# Allegro board BRD_05101_01_rev_b01_aa.brd
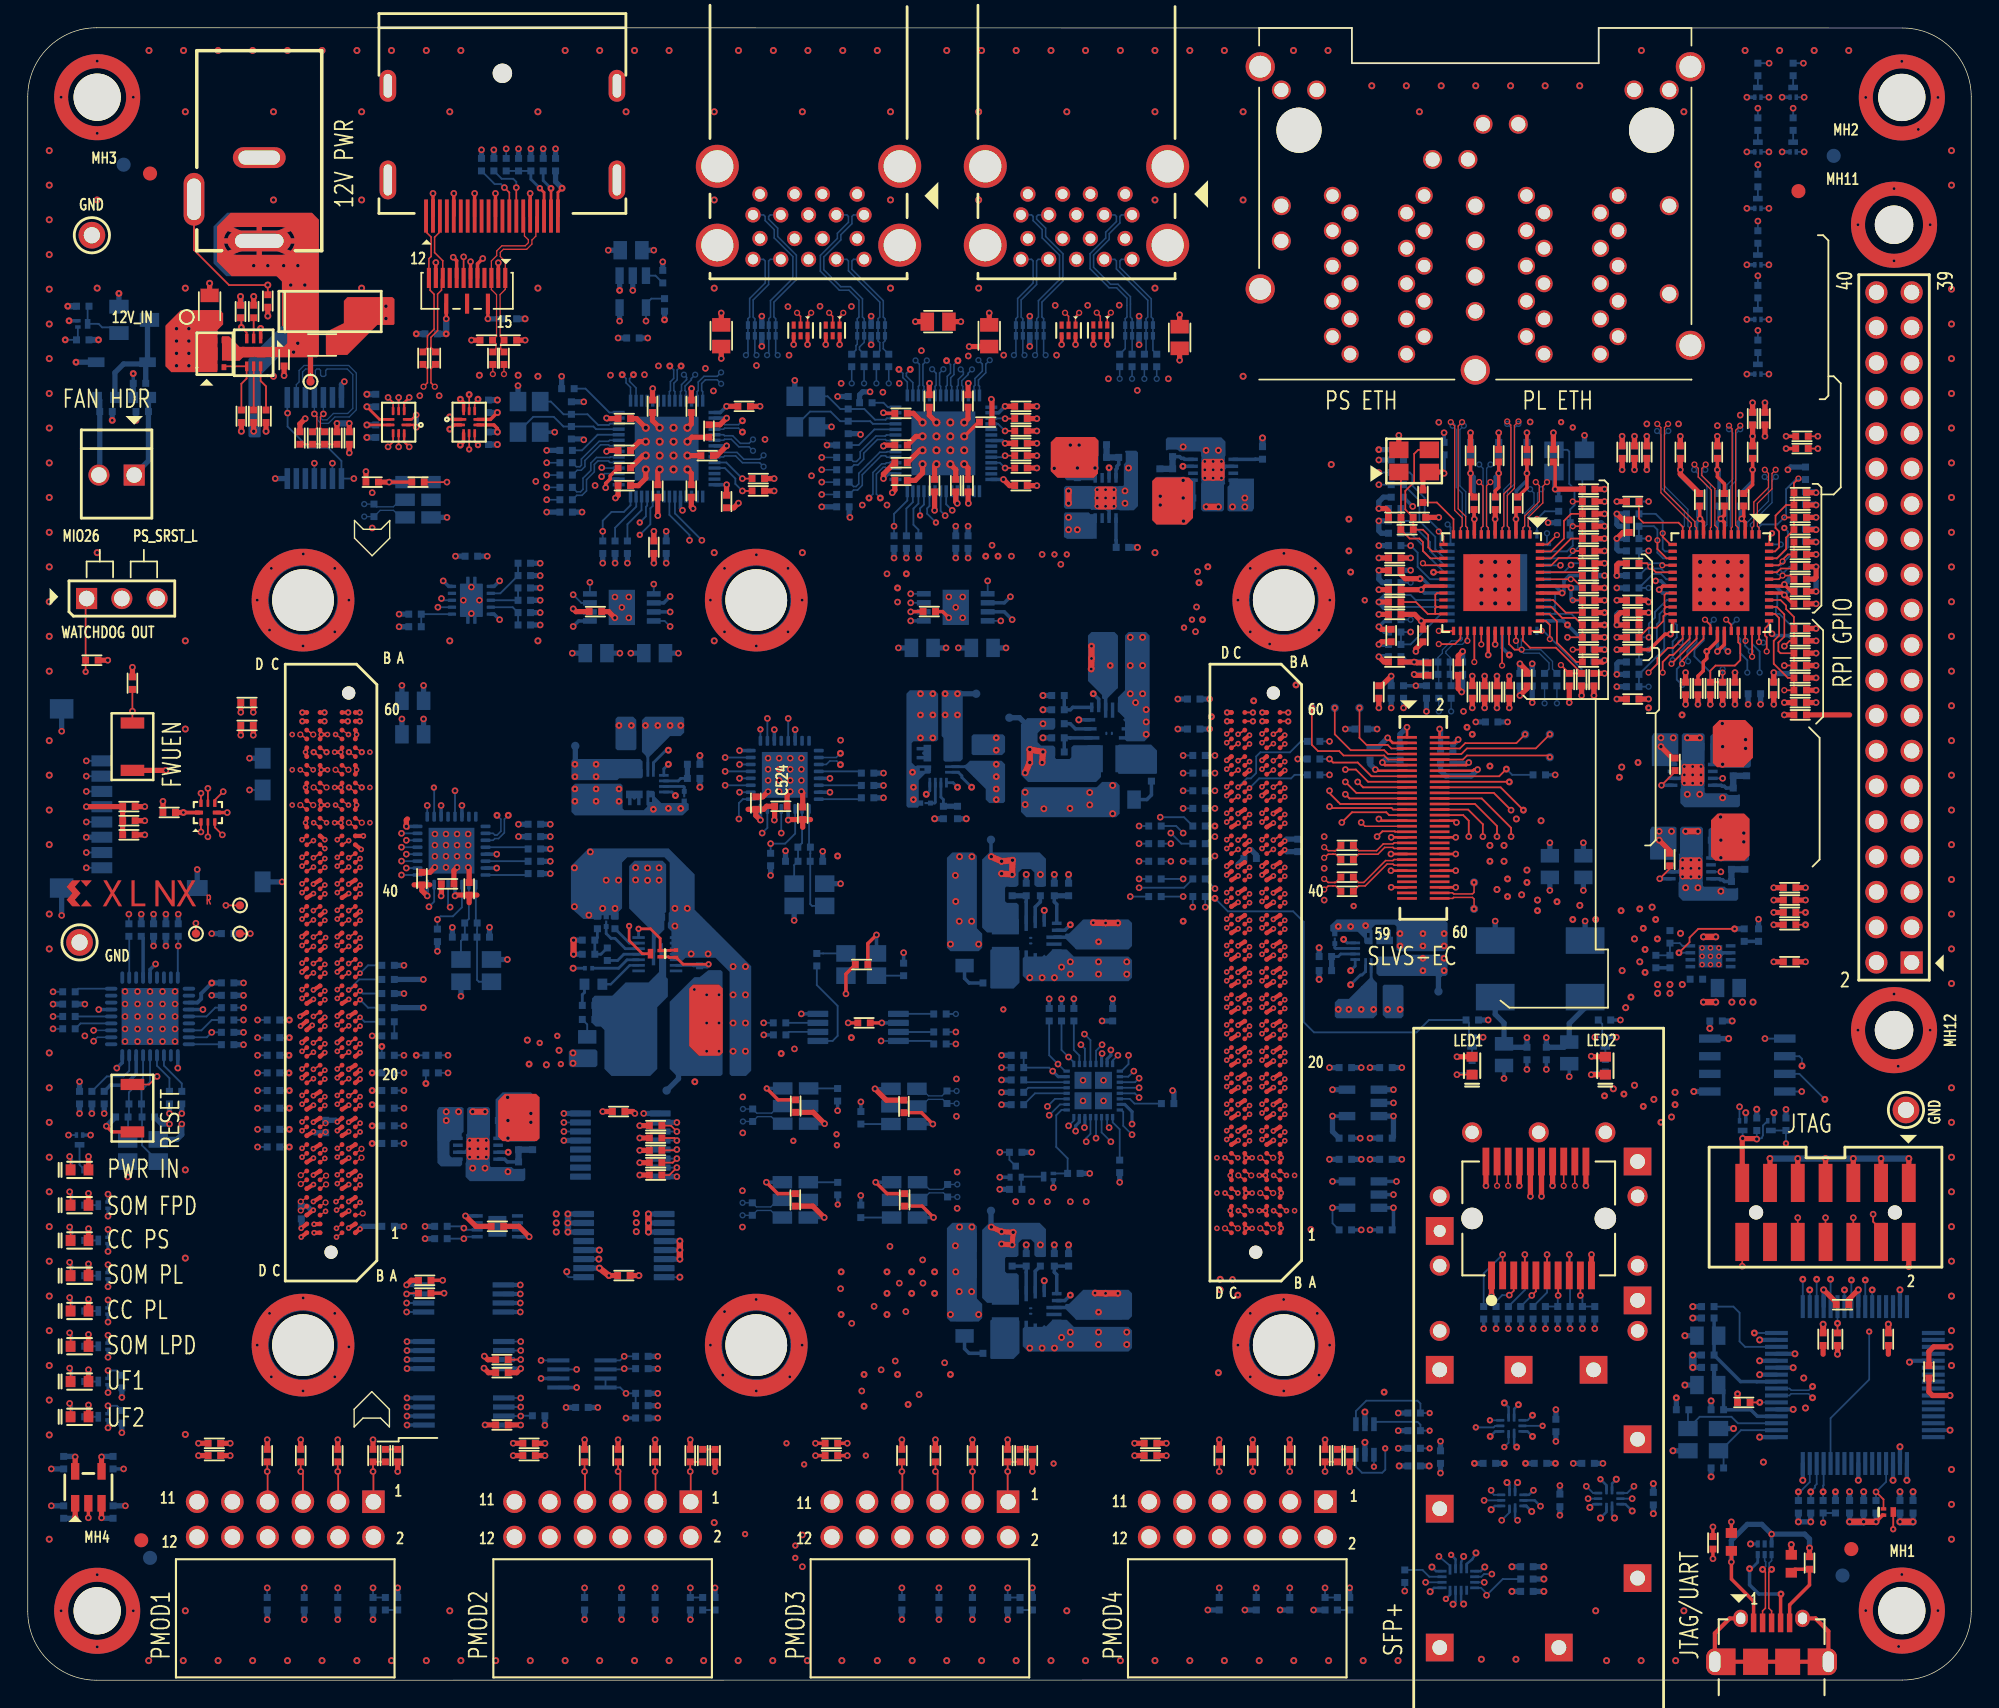
[diagram p0: board, top side]
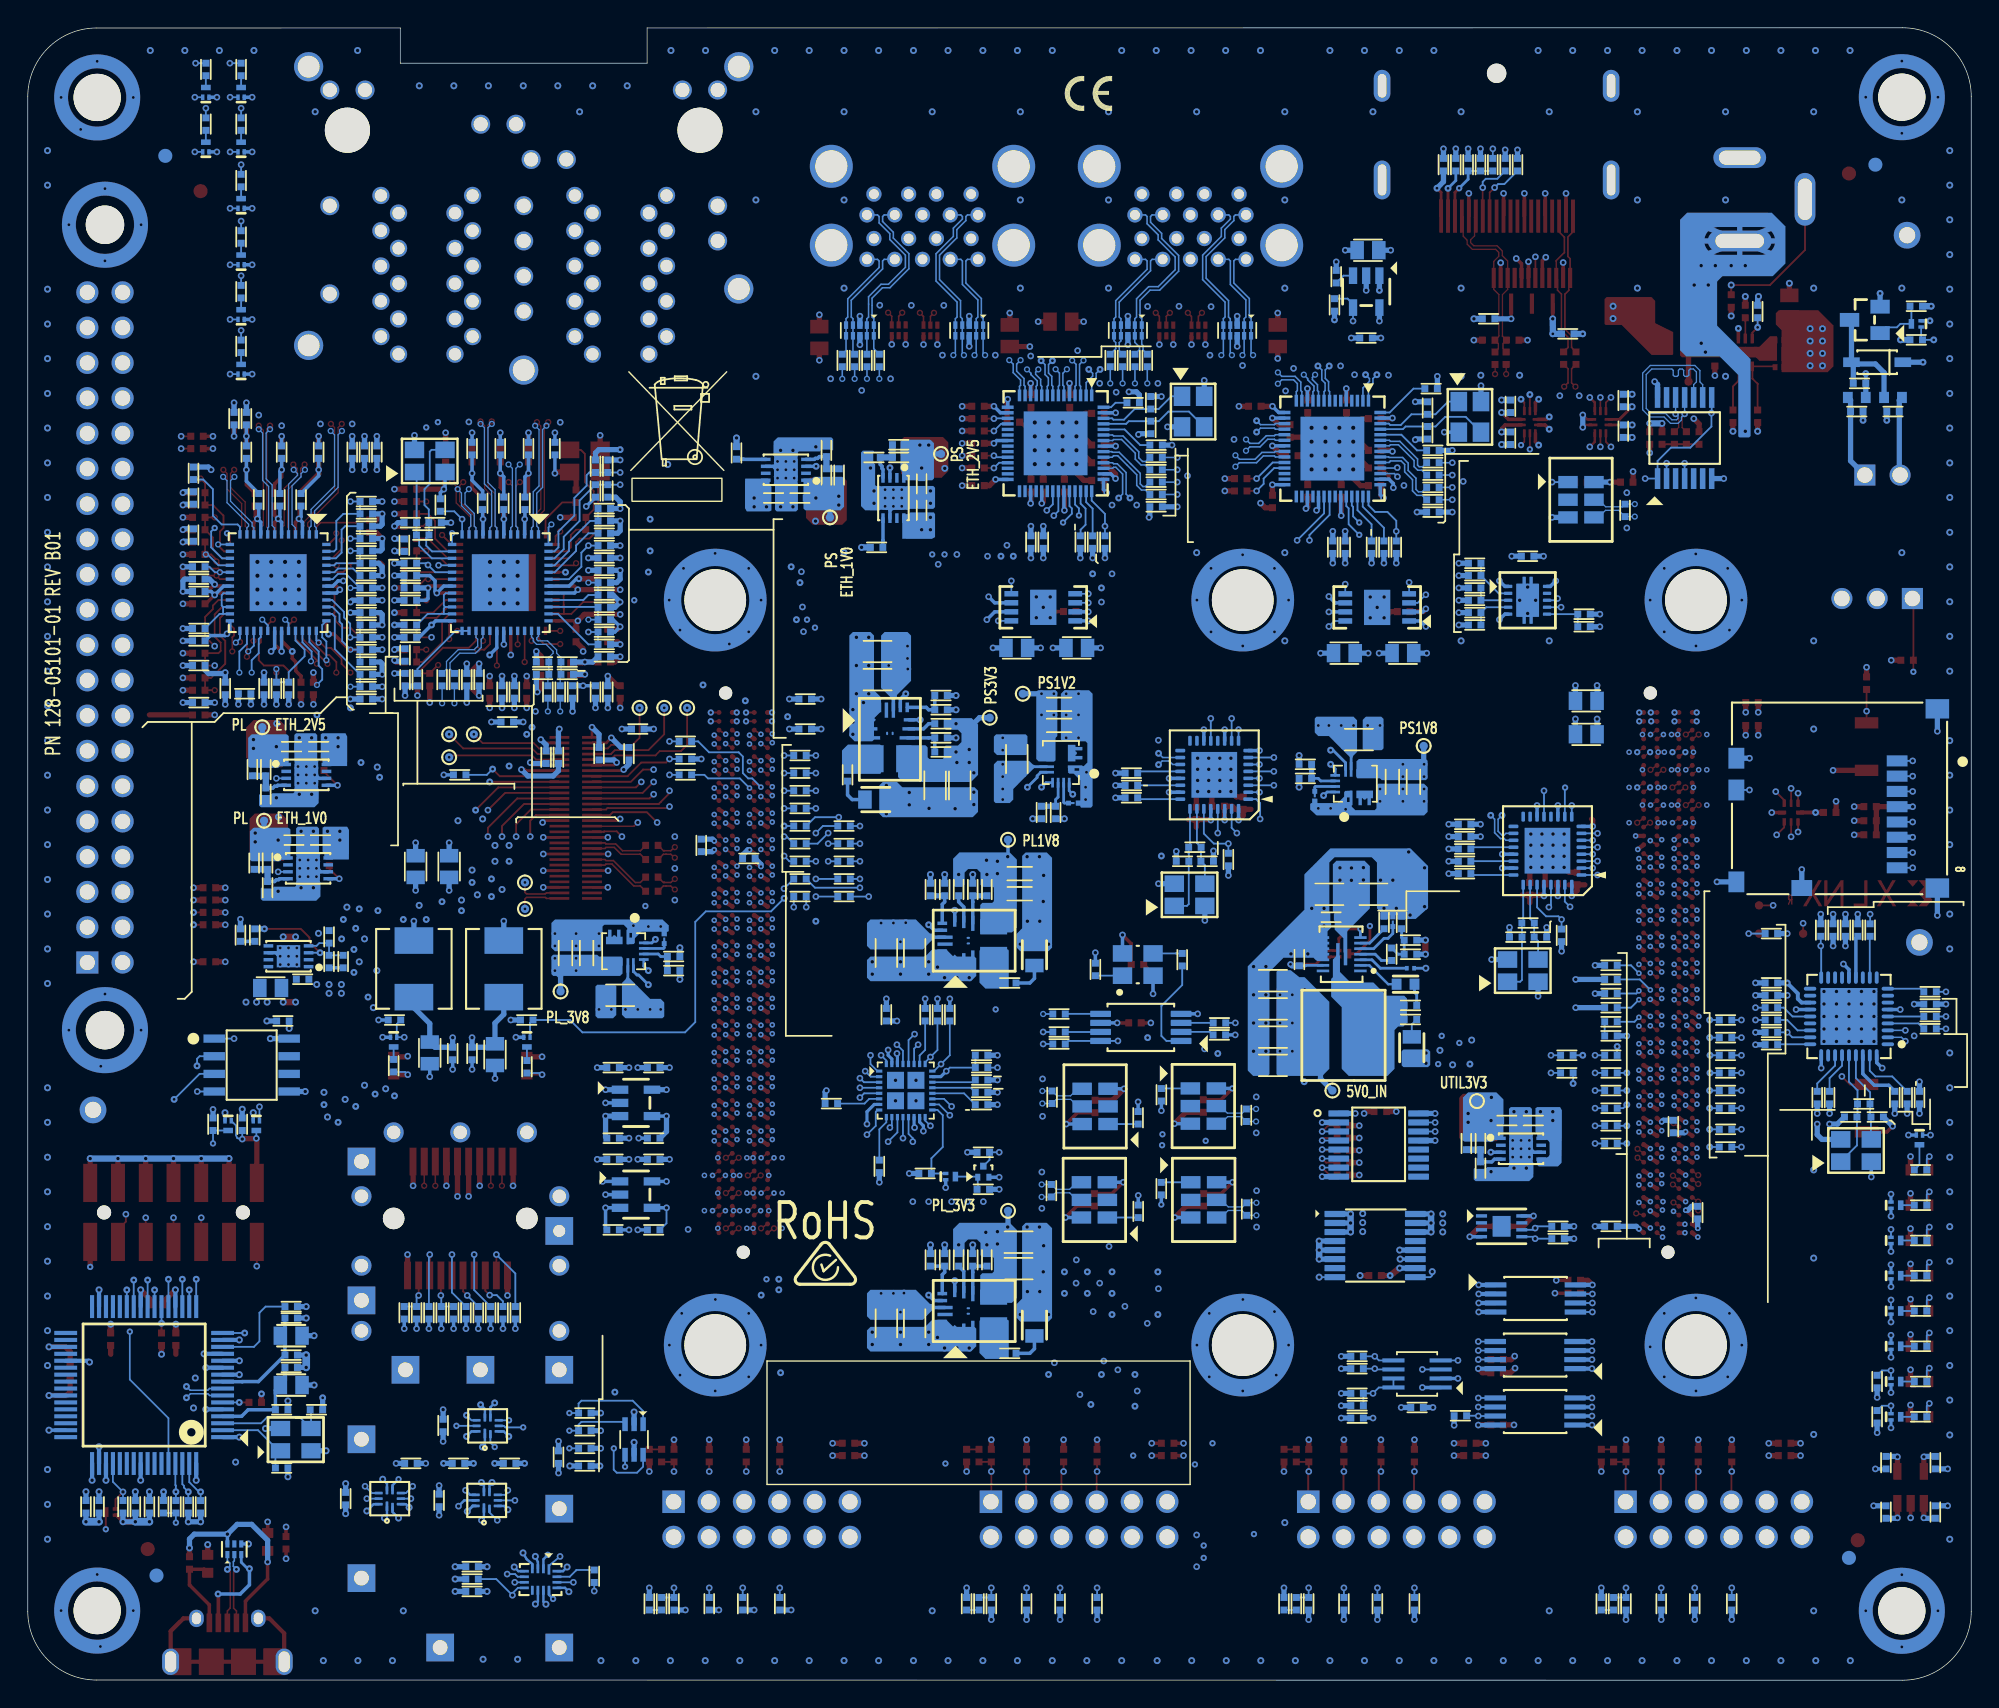
[diagram p1: board, bottom side, seen from below]

Outline 140 x 119 mm; copper layers: TOP, L02_GND, L03_SIG, L04_GND, L05_SIG, L06_GND, L07_PWR, L08_PWR, L09_GND, L10_SIG, L11_GND, L12_SIG, L13_GND, BOTTOM. Coordinates in mm from the lower left corner of the outline.
Outline path: 0,114.05 0,4.95 arc(1.45,1.45) 4.95,0 135.05,0.01 arc(138.55,1.47) 140,4.97 140,114.03 arc(138.55,117.53) 135.05,118.98 113.17,118.99 113.17,116.45 95.39,116.45 95.39,118.99 4.95,119 arc(1.45,117.55) 0,114.05

## Design rules (mm)
constraint set DEFAULT: min track width 0.127
net group D_CLK_0: nets D_CLK_0_N D_CLK_0_P
net group GEM1_LED0_CA: nets GEM1_LED0_CA N3928738
net group GEM1_LED1_CA: nets GEM1_LED1_CA N3928736
net group GTH_DP0_C2M_C_N: nets GTH_DP0_C2M_C_N GTH_DP0_C2M_N
net group GTH_DP0_C2M_C_P: nets GTH_DP0_C2M_C_P GTH_DP0_C2M_P
net group GTH_DP1_C2M_C_N: nets GTH_DP1_C2M_C_N GTH_DP1_C2M_N
net group GTH_DP1_C2M_C_P: nets GTH_DP1_C2M_C_P GTH_DP1_C2M_P
net group GTR_DP3_M2C_N: nets GTR_DP3_M2C_C_N GTR_DP3_M2C_N
net group GTR_DP3_M2C_P: nets GTR_DP3_M2C_C_P GTR_DP3_M2C_P
net group HDA03: nets HDA03 PMOD2_IO2_HDA03
net group HDA04: nets HDA04 PMOD2_IO3_HDA04
net group HDA05: nets HDA05 PMOD2_IO4_HDA05
net group HDA06: nets HDA06 PMOD2_IO5_HDA06
net group HDA07: nets HDA07 PMOD2_IO6_HDA07
net group HDA08_CC: nets HDA08_CC PMOD2_IO7_HDA08_CC
net group HDA09: nets HDA09 PMOD2_IO8_HDA09
net group HDA11: nets HDA11 PMOD1_IO1_HDA11
net group HDA12: nets HDA12 PMOD1_IO2_HDA12
net group HDA13: nets HDA13 PMOD1_IO3_HDA13
net group HDA14: nets HDA14 PMOD1_IO4_HDA14
net group HDA15: nets HDA15 PMOD1_IO5_HDA15
net group HDA16_CC: nets HDA16_CC PMOD1_IO6_HDA16_CC
net group HDA17: nets HDA17 PMOD1_IO7_HDA17
net group HDA18: nets HDA18 PMOD1_IO8_HDA18
net group HDB00_CC: nets HDB00_CC PMOD3_IO1_HDB00_CC
net group HDB01: nets HDB01 PMOD3_IO2_HDB01
net group HDB02: nets HDB02 PMOD3_IO3_HDB02
net group HDB03: nets HDB03 PMOD3_IO4_HDB03
net group HDB04: nets HDB04 PMOD3_IO5_HDB04
net group HDB05: nets HDB05 PMOD3_IO6_HDB05
net group HDB06: nets HDB06 PMOD3_IO7_HDB06
net group HDB07: nets HDB07 PMOD3_IO8_HDB07
net group HDB08_CC: nets HDB08_CC PMOD4_IO1_HDB08_CC
net group HDB09: nets HDB09 PMOD4_IO2_HDB09
net group HDB10: nets HDB10 PMOD4_IO3_HDB10
net group HDB11: nets HDB11 PMOD4_IO4_HDB11
net group HDB12: nets HDB12 PMOD4_IO5_HDB12
net group HDB13: nets HDB13 PMOD4_IO6_HDB13
net group HDB14: nets HDB14 PMOD4_IO7_HDB14
net group HDB15: nets HDB15 PMOD4_IO8_HDB15
net group N1064088: nets N1063914 N1064088
net group N1690498: nets N1690498 N1690502
net group N1690608: nets N1690608 N1690612
net group N1690718: nets N1690718 N1690722
net group N1690828: nets N1690828 N1690832
net group N1690938: nets N1690938 N1690942
net group N2198627: nets N2198627 N2198631
net group SDIO_CLK: nets SDIO_CLK SDIO_CLK_R
net group SDIO_CMD: nets SDIO_CMD SDIO_CMD_R
net group SDIO_DATA0: nets SDIO_DATA0 SDIO_DATA0_R
net group SDIO_DATA1: nets SDIO_DATA1 SDIO_DATA1_R
net group SDIO_DATA2: nets SDIO_DATA2 SDIO_DATA2_R
net group SDIO_DATA3: nets SDIO_DATA3 SDIO_DATA3_R
net group USB_JTAG_UART_CONNECTOR_PAIR: nets USB_JTAG_DM_N USB_JTAG_DM_P
net group USB_JTAG_VBUS: nets N1063364 USB_JTAG_VBUS
net group 000-GTH_GTR_NC: nets GTH_DP0_M2C_N_NC GTH_DP0_M2C_P_NC GTH_DP1_M2C_N_NC GTH_DP1_M2C_P_NC GTH_DP3_C2M_N_NC GTH_DP3_C2M_P_NC GTH_DP3_M2C_N_NC GTH_DP3_M2C_P_NC GTR_DP1_C2M_N_NC GTR_DP1_C2M_P_NC
net group 000-HP_NC_SIGNALS: nets HPA09_N_NC HPA10_CC_N_NC HPA10_CC_P_NC HPA11_N_NC HPA11_P_NC HPA12_N_NC HPA12_P_NC HPA_CLK0_N_NC HPB09_N_NC HPB10_CC_N_NC HPB15_CC_N_NC HPB_CLK0_N_NC HPC00_CC_N_NC HPC00_CC_P_NC HPC01_N_NC HPC01_P_NC HPC02_N_NC HPC02_P_NC HPC03_N_NC HPC03_P_NC HPC04_N_NC HPC04_P_NC HPC05_CC_N_NC HPC05_CC_P_NC HPC06_N_NC HPC06_P_NC HPC07_N_NC HPC07_P_NC HPC08_N_NC HPC08_P_NC HPC09_N_NC HPC09_P_NC HPC10_CC_N_NC HPC10_CC_P_NC HPC11_N_NC HPC11_P_NC HPC12_N_NC HPC12_P_NC HPC13_N_NC HPC13_P_NC HPC14_N_NC HPC14_P_NC HPC15_CC_N_NC HPC15_CC_P_NC HPC16_N_NC HPC16_P_NC HPC17_N_NC HPC17_P_NC HPC18_N_NC HPC18_P_NC HPC19_N_NC HPC19_P_NC HPC_CLK0_N_NC HPC_CLK0_P_NC
net group 000-MIO_NC_SIGNALS: nets MIO32_NC MIO33_NC MIO34_NC
net group 26-CLK_GEN_HP_SIGNALS: nets HPA05_CCN
net group 33-PWR_GND: nets 5V0_IN_VCC 12V_FAN_GND 12V_FAN_PWR 12V_IN_JACK AGND1 AGND2 AGND3 AGND4 PC4_CON_PGND PL_3V3_SW PMOD_3V3 PS_3V3_SW PS_ETH_1V0_FB PS_ETH_2V5_EN VCC_BATT VCCOEN_PL_M2C VCCOEN_PS_M2C VCCR_SFP VCCT_SFP
net group FTDI_NETS: nets FTDI_LS_OE_B FTDI_PS_POR_B FTDI_PS_SRST_B FTDI_TCK FTDI_TDI FTDI_TDO FTDI_TMS FTDI_UARTB_RXD FTDI_UARTB_TXD
net group GEM_NETS: nets GEM1_13_NC GEM1_48_NC GEM1_GPIO0 GEM1_GPIO1 GEM1_LED0 GEM1_LED1 GEM1_LED2
net group HDA02: nets HDA02
net group JTAG_TCK_C2M: nets JTAG_TCK_C2M N1061928 N2549814
net group JUNK: nets GEM1_RBIAS N1063872 N1063918 N1063922 N1064220 N1064316 N1064420 N1592727 N1784249 N3370406 N3433845 N3463703 N3465992 N3957555 N3957585 N3957595
net group MG1_ETHERNET_GEM1_RGMII: nets MIO38 MIO39 MIO40 MIO41 MIO42 MIO43 MIO44 MIO46 MIO48
net group MG2-ETHERNET_GEM2_RGMII: nets HPA00_CCN HPA01N HPA01P HPA02N HPA02P HPA03N HPA03P HPA06P_CLK HPA07N HPA07P HPA08P HPA09P_CLK
net group MG3-ETHERNET_GEM3_RGMII: nets HPB00_CCN HPB01N HPB01P HPB02N HPB02P HPB03N HPB03P HPB06P_CLK HPB07P HPB08N HPB08P HPB09P_CLK
net group MG8-SDIO_SIGNALS: nets SDIO_CD_B
net group MG9-USB0_MIO_SIGNALS: nets MIO52 MIO53 MIO54 MIO55 MIO56 MIO57 MIO58 MIO59 MIO60 MIO61 MIO62 MIO63
net group MG10-USB1_MIO_SIGNALS: nets MIO64 MIO65 MIO66 MIO67 MIO68 MIO69 MIO70 MIO71 MIO72 MIO73 MIO74 MIO75
net group POWER: nets N1062590
net group SDIO_CARD_BUS: nets SDIO_SCK SDIO_SDA SDIO_WP
net group WATCHDOG_NETS: nets WATCHDOG_CRST WATCHDOG_CWD WATCHDOG_SET0 WATCHDOG_SET1 WATCHDOG_WDO_B

## Placement (name value [footprint] x y rotation side)
C1  22UF  [CAPC200X125X145]  72.87 64.44 270 bottom
C2  22UF  [CAPC200X125X145]  74.64 64.44 270 bottom
C3  22UF  [CAPC200X125X145]  78.79 72.06 0 bottom
C4  47UF  [CAPC200X125X125]  78.79 74.09 0 bottom
C5  27PF  [CAPC100X50X55]  74.21 68.88 0 bottom
C6  22UF  [CAPC200X125X145]  44.12 67.74 180 bottom
C7  22UF  [CAPC160X80X100]  40.18 64.69 270 bottom
C8  22UF  [CAPC160X80X100]  41.7 64.69 270 bottom
C9  27PF  [CAPC100X50X55]  72.94 30.27 270 bottom
C10  47UF  [CAPC200X125X125]  76.12 25.7 270 bottom
C11  22UF  [CAPC200X125X145]  78.15 25.7 270 bottom
C12  10UF  [CAPC100X50X70]  75.61 86.15 270 bottom
C13  1000PF  [CAPC100X50X55]  77.26 88.06 0 bottom
C14  1000PF  [CAPC100X50X55]  82.47 86.79 90 bottom
C15  10UF  [CAPC100X50X70]  75.61 84.25 90 bottom
C16  10UF  [CAPC100X50X70]  84.37 85.14 0 bottom
C17  10UF  [CAPC100X50X70]  86.28 85.14 180 bottom
C18  22UF  [CAPC160X80X100]  101.27 52.37 90 bottom
C19  22UF  [CAPC160X80X100]  99.75 52.37 90 bottom
C20  22UF  [CAPC200X125X145]  97.33 49.32 0 bottom
C21  1000PF  [CAPC100X50X55]  122.86 65.58 270 bottom
C22  10UF  [CAPC100X50X70]  121 67.23 180 bottom
C23  10UF  [CAPC100X50X70]  119.05 67.23 0 bottom
C24  22UF  [CAPC160X80X100]  65.71 68.76 180 bottom
C25  22UF  [CAPC160X80X100]  65.71 70.28 180 bottom
C26  22UF  [CAPC200X125X145]  68.75 66.34 90 bottom
C27  1000PF  [CAPC100X50X55]  122.73 58.85 270 bottom
C28  10UF  [CAPC100X50X70]  120.82 60.5 180 bottom
C29  10UF  [CAPC100X50X70]  118.92 60.5 0 bottom
C30  22UF  [CAPC200X125X145]  43.07 56.6 180 bottom
C31  22UF  [CAPC200X125X145]  46.24 56.6 0 bottom
C32  22UF  [CAPC200X125X145]  50.3 48.34 0 bottom
C33  22UF  [CAPC200X125X145]  50.3 46.31 0 bottom
C34  22UF  [CAPC200X125X145]  50.3 50.38 0 bottom
C35  22UF  [CAPC200X125X145]  50.3 44.28 0 bottom
C36  0.1UF  [CAPC100X50X55]  46.11 54.95 0 bottom
C37  0.1UF  [CAPC100X50X55]  40.4 48.6 0 bottom
C38  1UF  [CAPC100X50X70]  48.4 51.9 90 bottom
C39  56PF  [CAPC100X50X55]  40.4 52.28 0 bottom
C40  0.022uF  [CAPC100X50X55]  42.3 54.57 90 bottom
C41  1000PF  [CAPC100X50X55]  35.35 38.65 270 bottom
C42  10UF  [CAPC100X50X70]  33.45 40.31 180 bottom
C43  10UF  [CAPC100X50X70]  31.54 40.31 0 bottom
C44  1000PF  [CAPC100X50X55]  118.3 51.75 90 bottom
C45  22UF  [CAPC200X125X145]  68.63 29.64 180 bottom
C48  22UF  [CAPC200X125X145]  68.63 31.54 180 bottom
C49  0.1UF  [CAPC100X50X55]  42.94 29.14 0 top
C50  0.1UF  [CAPC100X50X55]  31.96 80.95 0 bottom
C51  1UF  [CAPC100X50X70]  35.77 80.44 0 bottom
C52  0.22UF  [CAPC100X50X55]  35.77 75.99 0 bottom
C53  0.1UF  [CAPC100X50X55]  34.16 22.14 180 top
C64  0.1UF  [CAPC100X50X55]  44.24 18.88 180 bottom
C73  100PF  [CAPC100X50X55]  44.24 19.77 0 bottom
C74  0.1UF  [CAPC100X50X55]  42.56 40.95 0 top
C75  0.1UF  [CAPC100X50X55]  78.15 47.93 90 bottom
C78  10uF  [CAPC200X125X145]  122.51 49.85 180 bottom
C79  10UF  [CAPC100X50X70]  120.2 50.48 0 bottom
C80  0.1UF  [CAPC100X50X55]  108 8.17 0 bottom
C81  0.1UF  [CAPC100X50X55]  108.97 15.62 0 bottom
C82  4.7UF  [CAPC100X50X60]  121.71 19.48 180 bottom
C83  0.1UF  [CAPC100X50X55]  121.03 22.53 180 bottom
C84  0.1UF  [CAPC100X50X55]  121.03 23.41 180 bottom
C85  4.7UF  [CAPC100X50X60]  121.03 26.08 180 bottom
C86  0.1UF  [CAPC100X50X55]  121.62 47.47 0 bottom
C87  0.1UF  [CAPC100X50X55]  121.4 9.89 270 top
C88  0.1UF  [CAPC100X50X55]  128.35 8.44 270 top
C89  1UF  [CAPC100X50X70]  124.68 53.66 90 bottom
C90  0.1UF  [CAPC100X50X55]  132.25 12.49 270 bottom
C91  0.1UF  [CAPC100X50X55]  110.37 12.95 270 bottom
C92  0.1UF  [CAPC100X50X55]  108 6.4 0 bottom
C93  0.1UF  [CAPC100X50X55]  136.95 22.21 90 top
C94  0.1UF  [CAPC100X50X55]  130.73 27.04 0 top
C95  4.7UF  [CAPC100X50X60]  135.81 12.49 270 bottom
C96  0.1UF  [CAPC100X50X55]  129.33 24.56 90 top
C97  0.1UF  [CAPC100X50X55]  134.03 24.56 90 top
C98  0.1UF  [CAPC100X50X55]  131.24 12.49 270 bottom
C99  0.1UF  [CAPC100X50X55]  112.4 15.62 180 bottom
C100  0.1UF  [CAPC100X50X55]  101.77 16.07 90 bottom
C101  0.1UF  [CAPC100X50X55]  105.29 15.62 180 bottom
C102  0.1UF  [CAPC100X50X55]  99.87 15.43 0 bottom
C103  27PF  [CAPC100X50X55]  121.71 15.29 180 bottom
C104  27PF  [CAPC100X50X55]  119.21 19.48 180 bottom
C105  0.1UF  [CAPC100X50X55]  117.1 13.08 90 bottom
C108  0.1UF  [CAPC100X50X55]  25.07 89.95 270 bottom
C109  0.1UF  [CAPC100X50X55]  25.07 92.16 90 bottom
C110  0.1UF  [CAPC100X50X55]  23.16 89.45 270 top
C111  0.1UF  [CAPC100X50X55]  33.5 95.2 90 top
C112  0.1UF  [CAPC100X50X55]  34.3 95.2 90 top
C114  0.1UF  [CAPC100X50X55]  33.19 91.74 90 bottom
C115  0.1UF  [CAPC100X50X55]  33.19 89.44 270 bottom
C117  0.1UF  [CAPC100X50X55]  28.47 95.21 90 top
C118  0.1UF  [CAPC100X50X55]  29.36 95.21 90 top
C144  0.1UF  [CAPC100X50X55]  106.73 71.17 270 top
C145  0.1UF  [CAPC100X50X55]  112.44 85.77 180 top
C146  0.1UF  [CAPC100X50X55]  100.88 72.82 270 top
C147  10UF  [CAPC100X50X70]  98.22 75.23 90 top
C148  0.1UF  [CAPC100X50X55]  103.93 88.18 270 top
C149  10UF  [CAPC100X50X70]  109.9 88.18 270 top
C150  1UF  [CAPC100X50X70]  108 88.18 270 top
C151  0.01uF  [CAPC100X50X55]  107.34 84.76 90 top
C152  0.1UF  [CAPC100X50X55]  104.95 71.17 270 top
C153  1UF  [CAPC100X50X70]  98.47 80.82 180 top
C154  10UF  [CAPC100X50X70]  112.82 72.06 270 top
C155  0.1UF  [CAPC100X50X55]  105.84 71.17 270 top
C156  1UF  [CAPC100X50X70]  103.04 72.82 270 top
C157  1UF  [CAPC100X50X70]  98.47 73.33 180 top
C158  1UF  [CAPC100X50X70]  104.06 71.17 270 top
C159  0.01uF  [CAPC100X50X55]  98.47 78.53 180 top
C160  0.1UF  [CAPC100X50X55]  104.19 84.76 90 top
C161  1UF  [CAPC100X50X70]  105.96 88.18 270 top
C162  0.01uF  [CAPC100X50X55]  100.5 75.23 270 top
C163  1UF  [CAPC100X50X70]  98.47 79.93 180 top
C164  1UF  [CAPC100X50X70]  97.33 71.17 270 top
C165  1UF  [CAPC100X50X70]  108 72.06 270 top
C166  0.1UF  [CAPC100X50X55]  98.47 76.75 180 top
C167  0.1UF  [CAPC100X50X55]  105.71 84.76 90 top
C175  1UF  [CAPC100X50X70]  8.17 54.02 90 bottom
C176  0.1UF  [CAPC100X50X55]  9.06 54.02 90 bottom
C203  10uF  [CAPC200X125X145]  13.1 98.95 90 top
C204  10uF  [CAPC200X125X145]  21.21 96.15 0 top
C205  1UF  [CAPC100X50X70]  18.47 95.1 270 top
C206  0.047UF  [CAPC100X50X50]  17.16 91.02 270 top
C207  0.1UF  [CAPC100X50X55]  17.29 99.32 270 top
C208  1UF  [CAPC100X50X70]  8.05 93.39 0 bottom
C209  0.1UF  [CAPC100X50X55]  5.63 91.36 0 bottom
C210  0.1UF  [CAPC100X50X55]  8.24 91.36 180 bottom
C234  0.1UF  [CAPC100X50X55]  15.39 91.02 270 top
C235  39PF  [CAPC100X50X55]  15.33 98.57 90 top
C236  0.1UF  [CAPC100X50X55]  7.54 71.8 90 top
C237  0.1UF  [CAPC100X50X55]  2.59 15.67 270 bottom
C238  1UF  [CAPC100X50X70]  13.44 17.06 0 top
C265  0.1UF  [CAPC100X50X55]  43.59 96.66 0 bottom
C266  47UF  [CAPC200X125X125]  43.46 102.98 0 bottom
C269  0.1UF  [CAPC100X50X55]  29.07 96.96 180 bottom
C270  0.1UF  [CAPC100X50X55]  34.77 98.04 0 bottom
C272  22UF  [CAPC200X125X145]  49.96 96.82 270 top
C273  0.1UF  [CAPC100X50X55]  36.5 60.75 0 bottom
C274  22UF  [CAPC200X125X145]  65.58 97.84 0 top
C275  0.1UF  [CAPC100X50X55]  30.25 57.35 0 top
C276  0.1UF  [CAPC100X50X55]  28.39 57.73 90 top
C277  0.1UF  [CAPC100X50X55]  31.8 56.99 90 top
C278  2.2UF  [CAPC100X50X55]  36.5 59.86 180 bottom
C279  0.1UF  [CAPC100X50X55]  59.36 95.04 90 bottom
C280  0.1UF  [CAPC100X50X55]  61.13 95.04 270 bottom
C281  0.1UF  [CAPC100X50X55]  60.24 95.04 90 bottom
C282  0.1UF  [CAPC100X50X55]  62.02 95.04 270 bottom
C283  0.1UF  [CAPC100X50X55]  47.8 91.74 270 top
C284  0.1UF  [CAPC100X50X55]  50.34 84.88 270 top
C285  0.1UF  [CAPC100X50X55]  45.1 81.59 270 top
C286  0.1UF  [CAPC100X50X55]  45 91.74 270 top
C289  0.1UF  [CAPC100X50X55]  45.1 81.59 270 bottom
C290  0.1UF  [CAPC100X50X55]  38.78 84.12 180 bottom
C291  0.1UF  [CAPC100X50X55]  48.94 88.18 180 top
C292  0.1UF  [CAPC100X50X55]  51.61 91.74 0 top
C293  22UF  [CAPC200X125X145]  69.26 96.82 270 top
C294  22UF  [CAPC200X125X145]  82.98 96.69 270 top
C295  1000PF  [CAPC100X50X55]  42.97 88.57 0 top
C296  1000PF  [CAPC100X50X55]  42.97 86.03 0 top
C297  1000PF  [CAPC100X50X55]  45.39 85.64 90 top
C298  1000PF  [CAPC100X50X55]  42.97 87.3 0 top
C299  0.1UF  [CAPC100X50X55]  49.07 89.96 270 top
C300  0.1UF  [CAPC100X50X55]  47.8 85.64 90 top
C301  0.1UF  [CAPC100X50X55]  78.66 95.04 90 bottom
C302  0.1UF  [CAPC100X50X55]  80.44 95.04 270 bottom
C303  0.1UF  [CAPC100X50X55]  42.97 90.85 0 top
C304  0.1UF  [CAPC100X50X55]  45.99 81.59 270 bottom
C305  0.1UF  [CAPC100X50X55]  79.55 95.04 90 bottom
C306  0.1UF  [CAPC100X50X55]  81.33 95.04 270 bottom
C309  0.1UF  [CAPC100X50X55]  38.78 85.9 0 bottom
C310  0.1UF  [CAPC100X50X55]  38.78 85.01 0 bottom
C311  22UF  [CAPC200X125X145]  40.94 73.96 180 bottom
C312  22UF  [CAPC200X125X145]  45.16 73.96 0 bottom
C313  22UF  [CAPC200X125X145]  64.44 74.34 180 bottom
C314  22UF  [CAPC200X125X145]  68.75 74.34 0 bottom
C315  0.1UF  [CAPC100X50X55]  38.78 87.68 0 bottom
C316  0.1UF  [CAPC100X50X55]  38.78 86.79 0 bottom
C317  0.1UF  [CAPC100X50X55]  40.89 76.95 0 top
C318  0.1UF  [CAPC100X50X55]  64.94 76.96 0 top
C319  6800PF  [CAPC100X50X70]  40.4 47.58 180 bottom
C320  6800PF  [CAPC100X50X70]  69.26 23.54 180 bottom
C321  6800PF  [CAPC100X50X70]  80.95 65.2 270 bottom
C323  1UF  [CAPC100X50X70]  15.79 70.4 180 top
C324  0.1UF  [CAPC100X50X55]  15.79 68.75 180 top
C329  0.1UF  [CAPC100X50X55]  39.92 19.64 180 bottom
C344  33PF  [CAPC100X50X56]  25.95 46.4 180 bottom
C353  47UF  [CAPC200X125X125]  27.73 68.12 0 bottom
C354  47UF  [CAPC200X125X125]  27.73 70.53 0 bottom
C355  0.1UF  [CAPC100X50X55]  134.87 12.49 270 bottom
C356  0.1UF  [CAPC100X50X55]  110.08 18.34 90 bottom
C365  10PF  [CAPC100X50X55]  38.02 109.14 90 bottom
C366  10PF  [CAPC100X50X55]  36.24 109.14 90 bottom
C369  0.1UF  [CAPC100X50X55]  7.29 62.91 0 top
C370  33PF  [CAPC100X50X56]  26.65 16.18 270 top
C371  33PF  [CAPC100X50X56]  26.65 5.51 90 bottom
C372  10PF  [CAPC100X50X55]  24.87 16.18 90 top
C373  10PF  [CAPC100X50X55]  24.87 5.51 270 bottom
C374  10PF  [CAPC100X50X55]  22.33 16.18 90 top
C375  10PF  [CAPC100X50X55]  22.33 5.51 270 bottom
C376  10PF  [CAPC100X50X55]  13.44 16.18 0 top
C377  10PF  [CAPC100X50X55]  19.66 16.18 90 top
C378  10PF  [CAPC100X50X55]  19.92 5.51 270 bottom
C379  10PF  [CAPC100X50X55]  17.25 16.18 90 top
C380  10PF  [CAPC100X50X55]  17.25 5.51 270 bottom
C381  47UF  [CAPC200X125X125]  76.12 52.37 270 bottom
C382  22UF  [CAPC200X125X145]  78.15 52.37 270 bottom
C383  27PF  [CAPC100X50X55]  72.94 56.94 270 bottom
C384  22UF  [CAPC160X80X100]  68.55 56.64 180 bottom
C385  22UF  [CAPC160X80X100]  68.55 58.09 180 bottom
C386  6800PF  [CAPC100X50X70]  69.26 50.21 180 bottom
C387  10UF  [CAPC100X50X70]  2.59 12.11 90 bottom
C388  33PF  [CAPC100X50X56]  49.51 16.18 270 top
C389  33PF  [CAPC100X50X56]  49.51 5.51 90 bottom
C390  10PF  [CAPC100X50X55]  47.72 16.18 90 top
C391  10PF  [CAPC100X50X55]  47.73 5.51 270 bottom
C392  10PF  [CAPC100X50X55]  45.19 16.18 90 top
C393  10PF  [CAPC100X50X55]  45.19 5.51 270 bottom
C394  10PF  [CAPC100X50X55]  42.52 16.18 90 top
C395  10PF  [CAPC100X50X55]  42.78 5.51 270 bottom
C396  1UF  [CAPC100X50X70]  36.11 16.18 0 top
C397  10PF  [CAPC100X50X55]  36.11 17.06 0 top
C398  10PF  [CAPC100X50X55]  40.11 16.18 90 top
C399  10PF  [CAPC100X50X55]  40.11 5.51 270 bottom
C400  33PF  [CAPC100X50X56]  72.37 16.18 270 top
C401  33PF  [CAPC100X50X56]  72.37 5.51 90 bottom
C402  10PF  [CAPC100X50X55]  70.59 16.18 90 top
C403  10PF  [CAPC100X50X55]  70.59 5.51 270 bottom
C404  1UF  [CAPC100X50X70]  57.89 16.18 0 top
C405  10PF  [CAPC100X50X55]  57.89 17.06 0 top
C406  10PF  [CAPC100X50X55]  68.05 16.18 90 top
C407  10PF  [CAPC100X50X55]  68.05 5.51 270 bottom
C408  10PF  [CAPC100X50X55]  65.38 16.18 90 top
C409  10PF  [CAPC100X50X55]  65.64 5.51 270 bottom
C410  10PF  [CAPC100X50X55]  62.97 16.18 90 top
C411  10PF  [CAPC100X50X55]  62.97 5.51 270 bottom
C412  33PF  [CAPC100X50X56]  95.23 16.18 270 top
C413  33PF  [CAPC100X50X56]  95.23 5.51 90 bottom
C414  10PF  [CAPC100X50X55]  93.45 16.18 90 top
C415  10PF  [CAPC100X50X55]  93.45 5.51 270 bottom
C416  1UF  [CAPC100X50X70]  80.88 16.18 0 top
C417  10PF  [CAPC100X50X55]  80.88 17.06 0 top
C418  10PF  [CAPC100X50X55]  90.91 16.18 90 top
C419  10PF  [CAPC100X50X55]  90.91 5.51 270 bottom
C420  10PF  [CAPC100X50X55]  88.24 16.18 90 top
C421  10PF  [CAPC100X50X55]  88.5 5.51 270 bottom
C422  10PF  [CAPC100X50X55]  85.83 16.18 90 top
C423  10PF  [CAPC100X50X55]  85.83 5.51 270 bottom
C424  1UF  [CAPC100X50X70]  127.68 69.52 180 top
C425  10PF  [CAPC100X50X55]  126.92 51.74 180 top